# Altium PCB TT_JLINKV9.PcbDoc
Units mm, origin at the board's own origin, x right, y up, seen from the top; angles counter-clockwise.
Board outline 36.45 x 17.14 mm, 2 copper layers (Top Layer, Bottom Layer); 60 components, 45 nets, 199 pads, 83 vias.
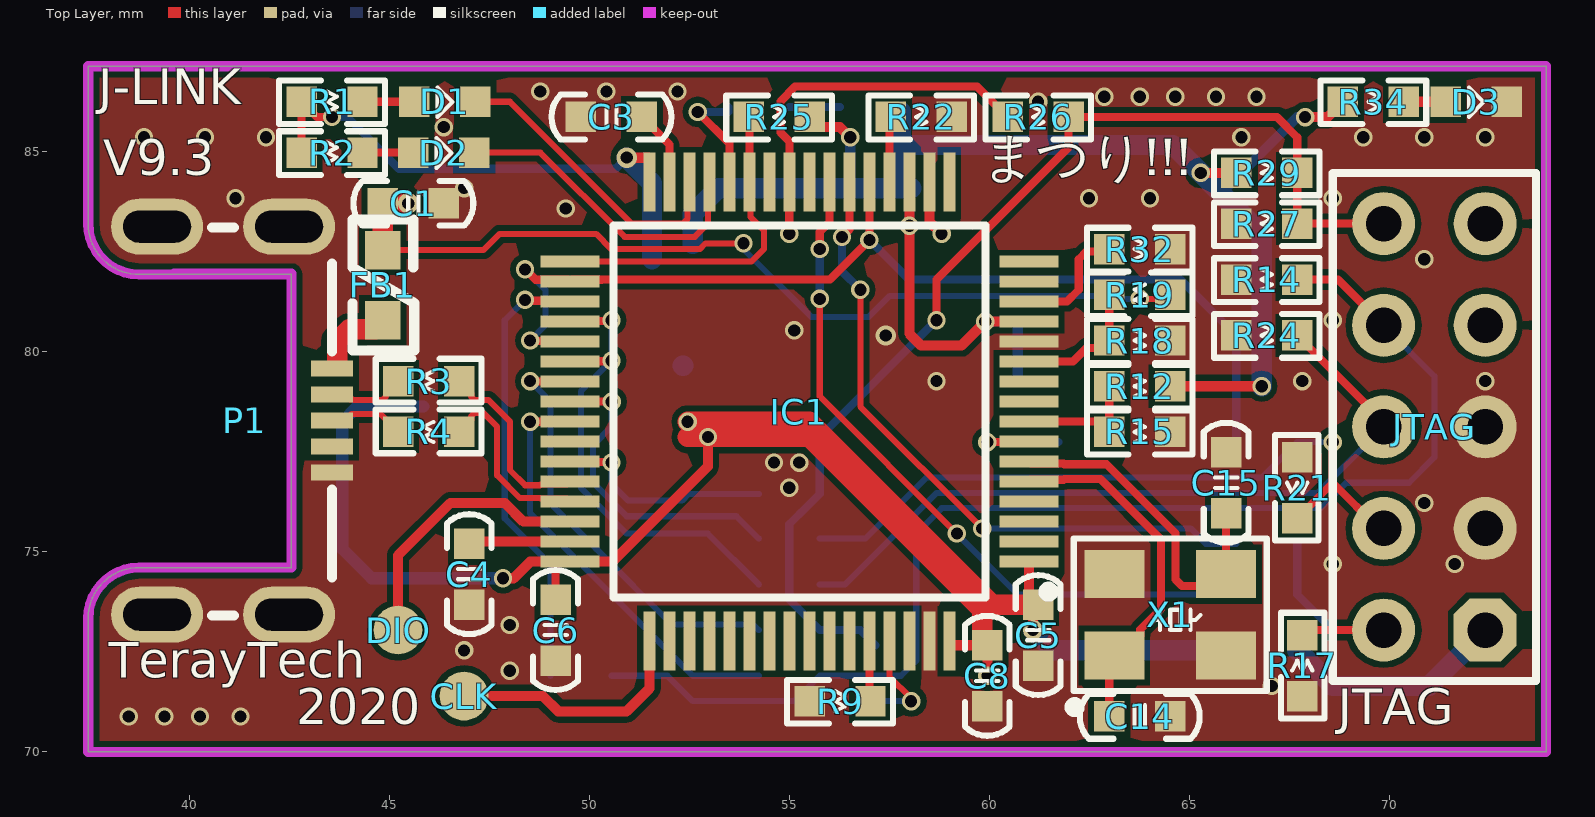
[diagram p0: Top Layer view]
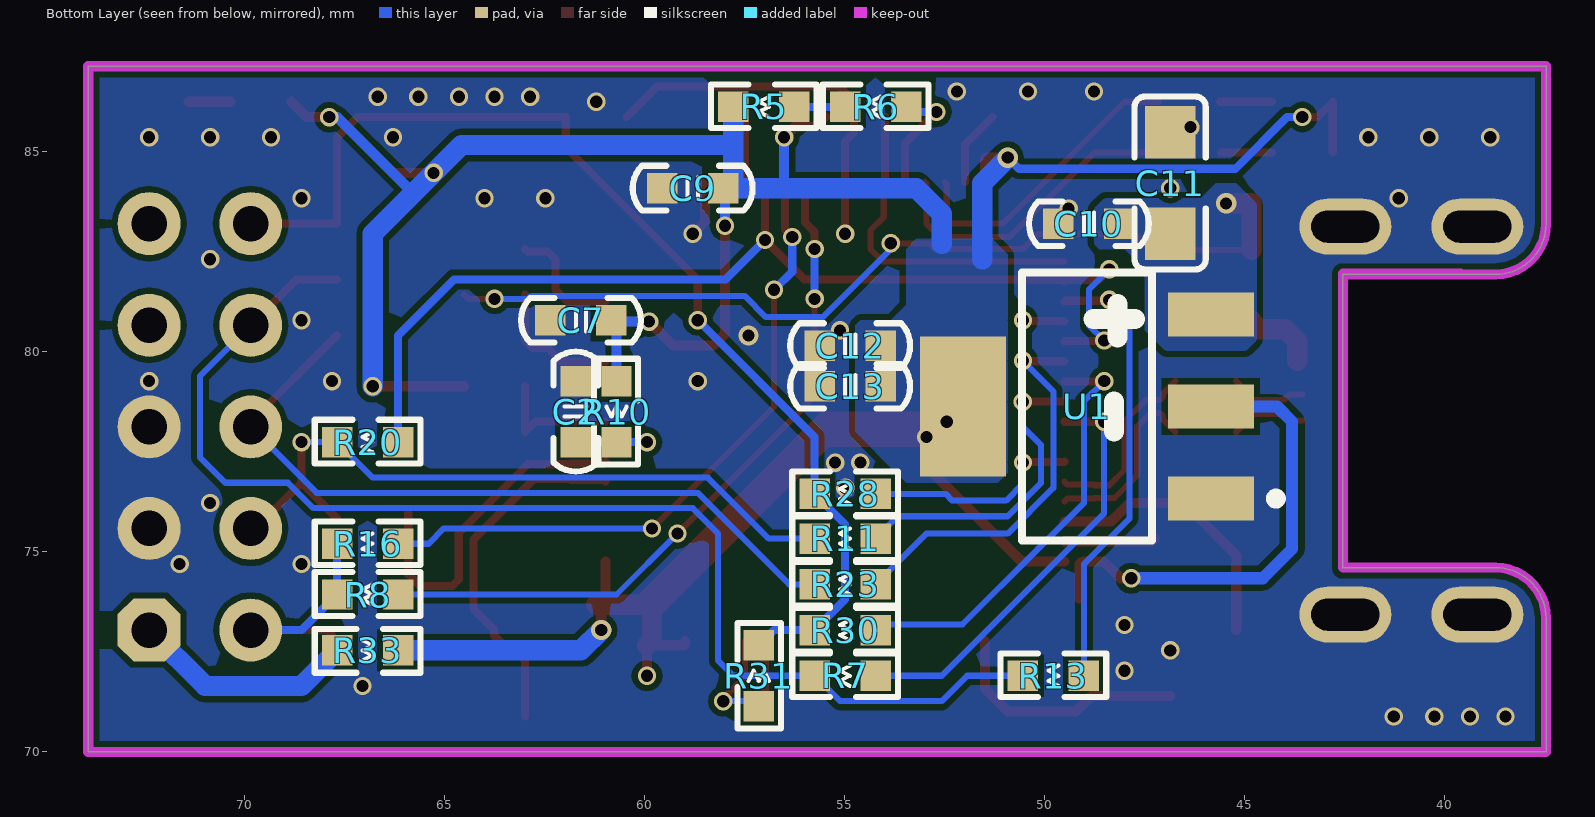
[diagram p1: Bottom Layer view, seen from below]

## Layer stack, top to bottom
Top Solder: solder mask 0.0102, Solder Resist, Dk 3.5
Top Layer: signal copper 0.0356
Dielectric 1: dielectric 0.32, FR-4, Dk 4.8
Bottom Layer: signal copper 0.0356
Bottom Solder: solder mask 0.0102, Solder Resist, Dk 3.5

## Board outline
37.465,69.977 37.465,73.317 cw(c38.735,73.317) 38.735,74.587 42.545,74.587 42.545,81.915 38.735,81.915 cw(c38.735,83.185) 37.465,83.185 37.465,87.122 73.914,87.122 73.914,69.977

## Design rules (kind name [scope] priority, off if disabled: settings)
Clearance [All] p1: gap=0.152 ignorepadtopadclearanceinfootprint=TRUE except(0: Arc-Hole Track-Hole SMDPad-Hole THPad-Hole Via-Hole Fill-Hole Poly-Hole Region-Hole Text-Hole; 0.254: Arc-Text Track-Text SMDPad-Text THPad-Text Via-Text Fill-Text Poly-Text Region-Text Text-Text)
ComponentClearance [All] p1 off: gap=0.254 collisioncheckmode=3 verticalgap=0.254 showdistances=FALSE
DiffPairsRouting [All] p1: maxlimit=0.254 minlimit=0.165 mostfreqgap=0.165 toplayer_minwidth=0.152 toplayer_maxwidth=0.381 toplayer_prefwidth=0.152 bottomlayer_minwidth=0.152 bottomlayer_maxwidth=0.381 bottomlayer_prefwidth=0.152 maxuncoupledlength=12.7
PolygonConnect [All] p1: connectstyle=Direct reliefconductorwidth=0.254 reliefentries=4 polygonreliefangle="90 Angle" airgapwidth=0.254
RoutingVias [All] p1: holewidth=0.305 width=0.457 viastyle="Through Hole" minholewidth=0.305 minwidth=0.457 maxholewidth=0.711 maxwidth=1.27
SolderMaskExpansion [All] p1: expansion=0.102 istentingtop=FALSE
Width [All] p1: maxlimit=0.508 minlimit=0.152 preferedwidth=0.254 minimp=50.000000 maximp=50.000000 favimp=50.000000
28 further rules are at their usual default settings.

## Classes and differential pairs
differential pair X: +X_P -X_N
differential pair USB: +USB_P -USB_N
differential pair USB_F: +USB_F_P -USB_F_N

## Components (designator, comment, footprint, x,y, rotation, side; value= is the part's Value field where it differs from the comment)
C1 "0.1uF" 0603_C 45.593,83.693 r0 top value=104
C2 "0.1uF" 0603_C 61.722,78.486 r270 bottom value=104
C3 "2.2uF 16V" 0603_C 50.546,85.852 r180 top value=104
C4 "2.2uF 16V" 0603_C 46.99,74.422 r270 top value=104
C5 "0.1uF" 0603_C 61.214,72.898 r90 top value=104
C6 "0.1uF" 0603_C 49.149,73.025 r90 top value=104
C7 "0.1uF" 0603_C 61.595,80.772 r180 bottom value=104
C8 "0.1uF" 0603_C 59.944,71.882 r90 top value=104
C9 "0.1uF" 0603_C 58.801,84.074 r180 bottom value=104
C10 "0.1uF" 0603_C 48.895,83.185 r180 bottom value=104
C11 "10uF" 0805_c 46.863,85.344 r270 bottom value=104
C12 "0.1uF" 0603_C 54.864,80.137 r180 bottom value=104
C13 "10uF" 0603_C 54.864,79.121 r180 bottom value=104
C14 "18pF" 0603_C 63.754,70.866 r180 top value=104
C15 "18pF" 0603_C 65.913,76.708 r90 top value=104
CLK "test point" TESTPOINT 46.863,71.374 r90 top
D1 "LED" 0603_LED 46.355,86.233 r0 top
D2 "LED" 0603_LED 46.33,84.963 r0 top
D3 "LED" 0603_LED 72.136,86.233 r0 top
DIO "test point" TESTPOINT 45.212,73.025 r90 top
FB1 "FB" FB0603 44.831,81.648 r90 top
IC1 "STM32F205RET6" QFP50P1200X1200X160-64N 55.245,78.486 r180 top locked
JTAG "header" header2X5 72.39,73.025 r90 top
P1 "MICRO USB CONNECTOR" USB_Micro_qian 43.561,78.262 r0 top locked
R1 "1K R0603" 0603_R 43.561,86.233 r180 top value=1K
R2 "1K R0603" 0603_R 43.561,84.963 r180 top value=1K
R3 "22R R0603" 0603_R 45.974,79.248 r0 top value=1K
R4 "22R R0603" 0603_R 45.974,77.978 r0 top value=1K
R5 "220R R0603" 0603_R 57.023,86.106 r180 bottom value=1K
R6 "220R R0603" 0603_R 54.229,86.106 r180 bottom value=1K
R7 "220R R0603" 0603_R 54.991,71.882 r180 bottom value=1K
R8 "220R R0603" 0603_R 66.929,73.914 r180 bottom value=1K
R9 "10K R0603" 0603_R 56.261,71.247 r180 top value=1K
R10 "10K R0603" 0603_R 60.706,78.486 r90 bottom value=1K
R11 "220R R0603" 0603_R 54.991,75.311 r180 bottom value=1K
R12 "10K R0603" 0603_R 63.754,79.121 r180 top value=1K
R13 "220R R0603" 0603_R 49.784,71.882 r180 bottom value=1K
R14 "220K R0603" 0603_R 66.929,81.788 r180 top value=1K
R15 "10K R0603" 0603_R 63.754,77.978 r180 top value=1K
R16 "220R R0603" 0603_R 66.929,75.184 r180 bottom value=1K
R17 "220K R0603" 0603_R 67.818,72.136 r270 top value=1K
R18 "10K R0603" 0603_R 63.754,80.264 r180 top value=1K
R19 "10K R0603" 0603_R 63.754,81.407 r0 top value=1K
R20 "220R R0603" 0603_R 66.929,77.724 r180 bottom value=1K
R21 "220K R0603" 0603_R 67.691,76.581 r90 top value=1K
R22 "10K R0603" 0603_R 58.293,85.852 r180 top value=1K
R23 "220R R0603" 0603_R 54.991,74.168 r180 bottom value=1K
R24 "220K R0603" 0603_R 66.929,80.391 r180 top value=1K
R25 "10K R0603" 0603_R 54.737,85.852 r180 top value=1K
R26 "220R R0603" 0603_R 61.214,85.852 r180 top value=1K
R27 "220K R0603" 0603_R 66.929,83.185 r180 top value=1K
R28 "220R R0603" 0603_R 54.991,76.429 r180 bottom value=1K
R29 "10K R0603" 0603_R 66.929,84.455 r180 top value=1K
R30 "220R R0603" 0603_R 54.991,73.025 r180 bottom value=1K
R31 "10K R0603" 0603_R 57.15,71.882 r270 bottom value=1K
R32 "10K R0603" 0603_R 63.754,82.55 r180 top value=1K
R33 "OR" 0603_R 66.929,72.517 r0 bottom value=1K
R34 "1K R0603" 0603_R 69.596,86.233 r180 top value=1K
U1 "AMS1117" SOT-223 49.074,78.325 r90 bottom
X1 "XTAL" OSC_KH3225_4P 66.167,74.549 r0 top

## Footprints (in the part's own frame and the unit in brackets; to place one, negate y for a bottom-side part, rotate by r counter-clockwise, add the part's x,y. Pads: shape width x height; smd on the part's side, far side on the other; paste and mask are expansions set on the pad)
0603_C [mil] "Capacitor"
  rect 30x30 smd: 1(-30,0) 2(30,0)
  silkscreen extent -59,-22 59,22, body extent -51,-18 52,21, height 35
0603_LED [mil]
  rect 30x30 smd: 1(-29,0) 2(31,0)
  silkscreen extent -6,-15 9,14, body extent -31,-16 31,16, height 24
0603_R [mil]
  rect 30x30 smd: 1(-30,0) 2(30,0)
  silkscreen extent -52,-21 52,22, body extent -34,-19 34,19, height 39
0805_c [mil]
  rect 52x50 smd: 1(-5,0) 2(95,0)
  silkscreen extent -40,-35 130,35, body extent -13,-28 105,28, height 37
FB0603 [mil] "1/10W"
  rect 38x35 smd: 1(-34.5,0) 2(34.5,0)
  silkscreen extent -64,-31 64,30, body extent -31,-16 32,16, height 31
header2X5 [mil]
  oct 62x62 hole 35: 1(0,0)
  round 62 hole 35: 2(0,100) 3(100,0) 4(100,100) 5(200,0) 6(200,100) 7(300,0) 8(300,100) 9(400,0) 10(400,100)
  silkscreen extent -50,-50 450,150, body extent -50,-50 450,150, height 398
OSC_KH3225_4P [mm]
  rect 1.5x1.2 smd: 1(-3.048,-2.159) 2(-0.254,-2.159) 3(-0.254,-0.127) 4(-3.048,-0.127)
  silkscreen extent -4.17,-3.58 0.76,0.76, body extent -3.25,-2.39 -0.05,0.11, height 0.77
QFP50P1200X1200X160-64N [mm]
  rect 1.475x0.3 smd: 1(-5.738,3.75) 2(-5.738,3.25) 3(-5.738,2.75) 4(-5.738,2.25) 5(-5.738,1.75) 6(-5.738,1.25) 7(-5.738,0.75) 8(-5.738,0.25) 9(-5.738,-0.25) 10(-5.738,-0.75) 11(-5.738,-1.25) 12(-5.738,-1.75) 13(-5.738,-2.25) 14(-5.738,-2.75) 15(-5.738,-3.25) 16(-5.738,-3.75) 33(5.738,-3.75) 34(5.738,-3.25) 35(5.738,-2.75) 36(5.738,-2.25) 37(5.738,-1.75) 38(5.738,-1.25) 39(5.738,-0.75) 40(5.738,-0.25) 41(5.738,0.25) 42(5.738,0.75) 43(5.738,1.25) 44(5.738,1.75) 45(5.738,2.25) 46(5.738,2.75) 47(5.738,3.25) 48(5.738,3.75)
  rect 0.3x1.475 smd: 17(-3.75,-5.738) 18(-3.25,-5.738) 19(-2.75,-5.738) 20(-2.25,-5.738) 21(-1.75,-5.738) 22(-1.25,-5.738) 23(-0.75,-5.738) 24(-0.25,-5.738) 25(0.25,-5.738) 26(0.75,-5.738) 27(1.25,-5.738) 28(1.75,-5.738) 29(2.25,-5.738) 30(2.75,-5.738) 31(3.25,-5.738) 32(3.75,-5.738) 49(3.75,5.738) 50(3.25,5.738) 51(2.75,5.738) 52(2.25,5.738) 53(1.75,5.738) 54(1.25,5.738) 55(0.75,5.738) 56(0.25,5.738) 57(-0.25,5.738) 58(-0.75,5.738) 59(-1.25,5.738) 60(-1.75,5.738) 61(-2.25,5.738) 62(-2.75,5.738) 63(-3.25,5.738) 64(-3.75,5.738)
  silkscreen extent -6.35,-4.65 4.65,4.65, body extent -6,-6 6,6, height 1.6
SOT-223 [mm] "ASM1117系列"
  rect 1.1x2.15 smd: 1(-2.012,-3.227) 2(0.288,-3.227) 3(2.588,-3.227)
  rect 3.5x2.15 smd: 2(0.288,2.973)
  silkscreen extent -3.06,-4.98 3.64,1.5, body extent -3,-3.48 3.5,3.48, height 1.7
TESTPOINT [mil]
  round 48 smd: 1(0,0)
USB_Micro_qian [mm]
  oval 2.3x1.4 hole 0.8 slot 1.7 at 0 deg: 0(-4.375,-4.85) 0(-4.375,4.85) 0(-1.075,-4.85) 0(-1.075,4.85)
  rect 1.05x0.4 smd: 1(0,1.3) 2(0,0.65) 3(0,0) 4(0,-0.65) 5(0,-1.3)
  Keep-Out Layer lines w0.254: -4.025,-3.675 -1.016,-3.675 -1.016,3.675 -3.95,3.675
  silkscreen extent -3,-4.87 0,4.83, body extent -7.2,-5.1 0.03,5.1, height 1.68

## Part data
C1 C2 C3 C4 C5 C6 C7 C8 C9 C10 C11 C12 C13 C14 C15: library part CAP, "Capacitor", LatestRevisionDate=17-Jul-2002, LatestRevisionNote="Re-released for DXP Platform.", PackageReference=RAD-0.3, Published=8-Jun-2000, Publisher="Altium Limited"
CLK DIO: library part TESTPOINT
D1 D2 D3: "LED 发光二极管"
FB1: "磁珠"
IC1: "Integrated Circuit", Manufacturer_Name=STMicroelectronics, Mouser Part Number=511-STM32F205RET6, Arrow Part Number=STM32F205RET6, Arrow Price/Stock=https://www.arrow.com/en/products/stm32f205ret6/stmicroelectronics, Datasheet Link=http://www.st.com/web/en/resource/technical/document/datasheet/CD00237391.pdf, Height=1.6mm, Manufacturer_Part_Number=STM32F205RET6, Mouser Price/Stock=https://www.mouser.co.uk/ProductDetail/STMicroelectronics/STM32F205RET6?qs=L6eUzyzWLAvGHDSxS%252B7umA%3D%3D
JTAG: library part "HEADER 5X2"
P1: library part "MICRO USB_in"
R1 R2 R3 R4 R5 R6 R7 R8 R9 R10 R11 R12 R13 R14 R15 R16 R17 R18 R19 R20 R21 R22 R23 R24 R25 R26 R27 R28 R29 R30 R31 R32 R33 R34: library part RES, "Resistor", Published=8-Jun-2000, Publisher="Altium Limited", Revision="July-2002: Re-released for DXP Platform."
U1: "3.3V电压转换器AMS1117"
X1: library part XTAL_SMT

## Via types
v1: diameter 0.457, hole 0.305, Top Layer to Bottom Layer, tented both sides, 79 vias
v2: diameter 0.508, hole 0.305, Top Layer to Bottom Layer, tented both sides, 4 vias

## Nets (pads, with @x,y where several pads share a name; then routed paths per layer and width w, separated by ;. In a path a pad name is that pad's centre, name@x,y a point inside that pad or via, vN(x,y) a via of type N, cw(c..) or ccw(c..) an arc to the next point about the centre after c; other vN are vias at no path point)
GND: C1.2 C2.1 C3.2 C4.2 C5.1 C6.1 C7.1 C8.1 C9.1 C10.1 C11.1 C12.1 C13.1 C14.1 C15.2 D3.2 IC1.12 IC1.18 IC1.63 JTAG.3 JTAG.5 P1.0 P1.5 R9.2 R14.2 R15.1 R17.2 R18.1 R21.2 R22.1 R24.2 R27.2 R32.1 U1.1 X1.2 X1.4 | length 1.4
  Top Layer w0.254: IC1.18 58.495,83.237 v1(58.801,82.931)
  other v1: 38.481,70.866 39.37,70.866 40.259,70.866 41.275,70.866 67.056,71.628 48.006,72.009 46.863,72.517 48.006,73.152 68.58,74.676 71.628,74.676 70.866,76.2 54.991,76.581 54.61,77.216 55.24,77.211 58.674,79.248 67.818,79.248 72.39,79.248 55.118,80.518 68.58,80.772 70.866,82.296 49.403,83.566 41.148,83.82 62.484,83.82 64.008,83.82 68.58,83.82 46.863,84.074 38.862,85.344 40.386,85.344 41.91,85.344 66.294,85.344 69.342,85.344 70.866,85.344 72.39,85.344 46.355,85.598 61.214,86.233 62.865,86.36 63.754,86.36 64.643,86.36 65.659,86.36 66.675,86.36 48.768,86.487 50.419,86.487 52.197,86.487
  other v2: 57.404,80.391
JTAG_RST: JTAG.10 R26.1 R27.1 R28.1 R29.1 R30.1 R31.1 | length 27.8
  Top Layer w0.203: v1(58.674,80.772) 58.674,81.788 61.976,85.09 R26.1 67.183,85.852 67.691,85.344 R29.1 R27.1 JTAG.10
  Bottom Layer w0.203: R31.1 56.769,73.025 R30.1 54.991,73.787 54.991,75.67 55.267,75.946 55.27,75.946 R28.1 55.753,77.851 v1(58.674,80.772)
JTAG_TCK: JTAG.4 R11.1 R20.1 R21.1 | length 17.8
  Top Layer w0.203: R21.1 68.58,76.708 ; v1(68.58,77.724) 68.58,76.708 ; JTAG.4 69.723,75.565 68.58,76.708
  Bottom Layer w0.152: R11.1 56.896,75.311 58.42,76.835 66.802,76.835 R20.1 v1(68.58,77.724)
JTAG_TDI: JTAG.8 R7.1 R13.1 R14.1 | length 31.7
  Top Layer w0.203: R14.1 68.707,81.788 JTAG.8
  Bottom Layer w0.152: R13.1 51.943,71.882 52.578,71.247 55.118,71.247 R7.1 57.785,71.882 58.166,72.263 58.166,75.438 58.801,76.073 68.285,76.073 68.92,76.708 70.485,76.708 71.12,77.343 71.12,79.375 JTAG.8
JTAG_TDO: JTAG.6 R23.1 R24.1 | length 18.9
  Top Layer w0.203: R24.1 69.85,78.232 JTAG.6
  Bottom Layer w0.152: R23.1 56.388,74.168 58.674,76.454 68.199,76.454 JTAG.6
JTAG_TMS: JTAG.2 R8.1 R16.1 R17.1 | length 5.9
  Top Layer w0.203: R17.1 67.945,73.025 JTAG.2
  Bottom Layer w0.203: R16.1 R8.1 68.58,73.025 JTAG.2
LED0: D2.2 IC1.29 | length 7.9
  Top Layer w0.152: D2.2 48.768,84.963 50.876,82.855 52.629,82.855 52.959,83.185 52.959,84.188 IC1.29
LED1: D1.2 IC1.30 | length 7.6
  Top Layer w0.152: D1.2 48.006,86.233 51.054,83.185 52.324,83.185 52.451,83.312 52.451,84.18 IC1.30
NetC2_2: C2.2 IC1.7 R10.1 | length 2.8
  Top Layer w0.203: v1(59.944,77.724) 59.95,77.73 60.977,77.73 IC1.7
  Bottom Layer w0.203: v1(59.944,77.724) R10.1 C2.2
NetC3_1: C3.1 IC1.31 | length 1.9
  Top Layer w0.203: C3.1 51.995,85.165 IC1.31
NetC4_1: C4.1 IC1.47 | length 2.3
  Top Layer w0.254: C4.1@47.244,75.311 47.319,75.236 IC1.47
NetD1_1: D1.1 R1.1 | length 1.3
  Top Layer w0.203: R1.1 D1.1
NetD2_1: D2.1 R2.1 | length 1.3
  Top Layer w0.203: R2.1 D2.1
NetD3_1: D3.1 R34.1 | length 1
  Top Layer w0.254: R34.1 D3.1
NetIC1_60: IC1.60 R9.1 | length 1.5
  Top Layer w0.152: R9.1@56.995,71.275 R9.1
  Top Layer w0.203: R9.1@56.995,71.275 IC1.60
NetJTAG_1: JTAG.1 R33.2 | length 5.6
  Bottom Layer w0.508: R33.2 68.58,71.628 70.993,71.628 JTAG.1
P3V3: C5.2 C6.2 C7.2 C8.2 C9.2 C12.2 C13.2 IC1.1 IC1.13 IC1.19 IC1.32 IC1.48 IC1.64 R1.2 R2.2 R5.1 R10.2 R12.1 R25.1 R29.2 R33.1 R34.2 U1.2 | length 103.5
  Top Layer w0.203: R2.2 R1.2 43.18,85.852 v1(43.561,85.852) ; IC1.48@49.012,74.736 49.101,74.736 49.149,74.688 C6.2
  Top Layer w0.254: v1(47.835,74.32) 48.101,74.32 48.517,74.736 IC1.48@49.012,74.736 ; IC1.48 50.574,74.736 52.959,77.121 v1(52.959,77.851) ; v2(50.927,84.836) 50.928,84.835 51.472,84.835 51.495,84.812 IC1.32 ; R25.1 55.753,85.598 56.261,85.598 v1(56.515,85.344) ; IC1.19 57.995,83.315 v1(57.995,83.131) 57.995,80.435 58.293,80.137 59.291,80.137 v1(59.89,80.736) 60.074,80.736 IC1.13 ; IC1.64 58.995,72.667 59.018,72.644 C8.2 v1(59.944,71.882) ; IC1.1 60.983,73.891 C5.2 61.087,73.533 v2(61.087,73.025) ; R12.1 v1(66.802,79.121) ; v1(65.278,84.455) R29.2 ; v1(67.889,85.848) 68.449,85.848 R34.2
  Top Layer w0.508: 52.451,77.851 v1(52.959,77.851) 55.499,77.851 59.817,73.533 59.817,72.771 C8.2 ; v1(52.451,78.232) 55.49,78.232 60.062,73.66 C5.2
  Bottom Layer w0.203: v1(43.561,85.852) 43.942,85.852 45.237,84.557 50.648,84.557 v2(50.927,84.836)
  Bottom Layer w0.254: 56.388,84.074 56.515,84.201 v1(56.515,85.344) ; v1(57.995,83.131) 57.995,84.03 C9.2 ; v1(59.89,80.736) 60.615,80.736 60.706,80.645 R10.2 ; 65.722,84.01 65.849,84.01 67.687,85.848 v1(67.889,85.848)
  Bottom Layer w0.305: U1.2@45.847,78.613 44.196,78.613 43.815,78.232 43.815,75.057 44.552,74.32 v1(47.835,74.32)
  Bottom Layer w0.508: v2(50.927,84.836) 51.562,84.201 51.562,82.296 ; U1.2@52.324,79.629 U1.2@52.349,79.629 ; 52.578,82.677 52.578,83.439 53.213,84.074 56.388,84.074 C9.2 57.785,84.328 57.785,85.153 ; R5.1@57.785,85.979 57.785,85.153 ; v2(61.087,73.025) 61.595,72.517 R33.1 ; v1(66.802,79.121) 66.802,82.931 65.722,84.01 v1(65.278,84.455) 64.579,85.153 57.785,85.153
P5V: C1.1 C10.2 C11.2 FB1.2 R19.2 U1.3 | length 23
  Top Layer w0.152: FB1.2 47.346,82.525 47.752,82.931 50.165,82.931 50.546,82.55 52.755,82.55 52.898,82.693 v1(53.848,82.693) ; v1(63.754,81.305) 64.414,81.305 R19.2
  Top Layer w0.508: FB1.2 C1.1 v2(45.466,83.693)
  Bottom Layer w0.152: v1(53.848,82.693) 53.848,82.55 55.55,80.848 56.972,80.848 57.506,81.382 62.833,81.382 62.909,81.305 v1(63.754,81.305)
PA0: IC1.14 R32.2 | length 3
  Top Layer w0.203: IC1.14 61.932,81.236 62.23,81.534 62.23,82.296 62.425,82.491 62.933,82.491 R32.2
PA4: IC1.20 R22.2 | length 1.6
  Top Layer w0.203: IC1.20 57.495,85.816 R22.2
PA5: IC1.21 IC1.34 IC1.37 R20.2 | length 26.6
  Top Layer w0.203: v1(48.387,82.042) 48.645,81.784 49.459,81.784 IC1.34 49.555,81.784 50.302,81.784 50.306,81.788 56.007,81.788 v1(56.995,82.776) IC1.21 ; v1(48.514,80.264) 48.528,80.25 49.493,80.25 IC1.37
  Bottom Layer w0.152: v1(48.387,82.042) 48.895,81.534 48.895,80.645 v1(48.514,80.264)
  Bottom Layer w0.203: v1(56.995,82.776) 57.983,81.788 64.77,81.788 66.167,80.391 R20.2
PA6: IC1.22 R16.2 | length 16.7
  Top Layer w0.152: v1(56.769,81.534) 56.769,78.613 v1(59.817,75.565)
  Top Layer w0.203: v1(56.311,82.854) 56.495,83.038 IC1.22
  Bottom Layer w0.152: v1(59.817,75.565) 65.024,75.565 65.405,75.184 R16.2
  Bottom Layer w0.203: v1(56.311,82.854) 56.311,81.992 v1(56.769,81.534)
PA7: IC1.23 R8.2 | length 17.9
  Top Layer w0.152: v1(55.753,81.305) 55.753,78.867 v1(59.182,75.438)
  Top Layer w0.203: v1(55.753,82.55) 55.753,82.978 55.995,83.22 IC1.23
  Bottom Layer w0.152: v1(59.182,75.438) 60.706,73.914 R8.2
  Bottom Layer w0.203: v1(55.753,81.305) v1(55.753,82.55)
PA8: IC1.41 R7.2 | length 10.7
  Top Layer w0.203: v1(48.514,78.232) 48.516,78.234 49.505,78.234 IC1.41
  Bottom Layer w0.152: v1(48.514,78.232) 48.514,75.946 52.578,71.882 R7.2
PA10: IC1.43 R28.2 | length 5.5
  Top Layer w0.203: IC1.43 49.517,77.226 50.536,77.226 v1(50.546,77.216)
  Bottom Layer w0.152: v1(50.546,77.216) 50.546,76.681 50.964,76.263 52.311,76.263 52.477,76.429 R28.2
PB1: IC1.27 IC1.33 R25.2 | length 8.4
  Top Layer w0.152: IC1.33 54.042,82.236 54.356,82.55 54.356,83.016 54.024,83.347 54.024,84.195 IC1.27
  Top Layer w0.203: R25.2 53.995,85.832 IC1.27
PB2: IC1.28 R6.2 | length 3
  Top Layer w0.203: v1(52.705,85.979) 53.495,85.189 IC1.28
  Bottom Layer w0.203: v1(52.705,85.979) 53.467,85.979 R6.2
PB8: IC1.61 R31.2 | length 2.7
  Top Layer w0.152: IC1.61 57.495,71.86 58.039,71.316 v1(58.039,71.247)
  Bottom Layer w0.152: R31.2 57.277,71.247 v1(58.039,71.247)
PB14: IC1.35 R13.2 | length 11.2
  Top Layer w0.203: v1(48.387,81.28) 48.409,81.258 49.485,81.258 IC1.35
  Bottom Layer w0.152: v1(48.387,81.28) 47.879,80.772 47.879,75.819 49.022,74.676 R13.2
PB15: IC1.36 IC1.38 R23.2 | length 12.1
  Top Layer w0.203: IC1.38 49.517,79.746 50.536,79.746 v1(50.546,79.756) ; IC1.36 49.525,80.754 50.528,80.754 v1(50.546,80.772)
  Bottom Layer w0.152: v1(50.546,80.772) v1(50.546,79.756) 49.784,78.994 49.784,76.581 50.927,75.438 52.959,75.438 R23.2
PC0: IC1.8 R12.2 R15.2 | length 3.3
  Top Layer w0.203: IC1.8 62.734,78.236 R15.2 R12.2
PC3: IC1.11 R18.2 R19.1 | length 3.4
  Top Layer w0.203: IC1.11 62.083,79.736 62.425,80.078 62.806,80.078 R18.2 R19.1
PC5: IC1.25 R26.2 | length 9.6
  Top Layer w0.203: v1(54.991,82.931) 54.993,82.933 54.993,84.222 IC1.25 54.995,85.235 54.769,85.461 54.769,86.243 55.14,86.614 59.69,86.614 R26.2
PC8: IC1.39 R30.2 | length 10.8
  Top Layer w0.203: v1(48.514,79.248) 48.52,79.242 49.501,79.242 IC1.39
  Bottom Layer w0.152: v1(48.514,79.248) 49.022,78.74 49.022,76.2 50.165,75.057 52.058,73.164 54.09,73.164 R30.2
PC9: IC1.40 R11.2 | length 8
  Top Layer w0.203: IC1.40 v1(50.552,78.734)
  Bottom Layer w0.152: v1(50.552,78.734) 50.546,78.728 50.546,78.105 50.089,77.648 50.089,76.707 50.926,75.87 53.67,75.87 R11.2
PVUSB: FB1.1 P1.1 | length 1.9
  Top Layer w0.508: P1.1@43.688,79.756 43.688,80.246 43.986,80.543 44.64,80.543 44.831,80.734 FB1.1
RXD: R5.2 R6.1 | length 1.3
  Bottom Layer w0.203: R6.1 R5.2
SWCLK: CLK.1 IC1.49 | length 6.2
  Top Layer w0.254: CLK.1 48.835,71.374 49.216,70.993 50.927,70.993 51.495,71.561 IC1.49
SWDIO: DIO.1 IC1.46 | length 6.9
  Top Layer w0.254: DIO.1 45.212,74.68 45.21,74.681 45.21,74.892 46.519,76.2 47.88,76.2 48.344,75.736 IC1.46
USB_F_N: P1.2 R3.1 | length 2
  Top Layer w0.152: P1.2 43.886,78.912 44.01,78.788 44.083,78.788 44.099,78.772 44.818,78.772 44.907,78.861 44.907,78.943 R3.1
USB_F_P: P1.3 R4.1 | length 1.9
  Top Layer w0.152: P1.3 43.886,78.262 44.052,78.428 44.762,78.428 R4.1
USB_N: IC1.44 R3.2 | length 4.6
  Top Layer w0.152: R3.2 47.041,78.943 47.041,78.861 47.13,78.772 47.477,78.772 48.006,78.243 48.006,77.026 48.387,76.645 48.756,76.645 48.774,76.662 49.433,76.662 IC1.44
USB_P: IC1.45 R4.2 | length 4.6
  Top Layer w0.152: R4.2 47.041,78.283 47.041,78.365 47.13,78.454 47.345,78.454 47.688,78.111 47.688,76.895 48.256,76.327 48.756,76.327 48.774,76.31 49.433,76.31 IC1.45
X_N: C15.1 IC1.6 X1.3 | length 8.5
  Top Layer w0.203: IC1.6 61.031,77.188 61.85,77.188 61.867,77.17 62.924,77.17 64.649,75.444 64.649,74.289 64.813,74.125 65.616,74.125 X1.3 C15.1
X_P: C14.2 IC1.5 X1.1 | length 9
  Top Layer w0.203: IC1.5 61.031,76.784 61.85,76.784 61.867,76.802 62.771,76.802 64.281,75.292 64.281,73.552 63.767,73.038 63.767,72.888 63.269,72.39 X1.1 62.992,72.263 C14.2
pads on no net: IC1.2 IC1.3 IC1.4 IC1.9 IC1.10 IC1.15 IC1.16 IC1.17 IC1.24 IC1.26 IC1.42 IC1.50 IC1.51 IC1.52 IC1.53 IC1.54 IC1.55 IC1.56 IC1.57 IC1.58 IC1.59 IC1.62 JTAG.7 JTAG.9 P1.4

## Polygon pours and split planes (outlines as drawn)
GND on Bottom Layer "GND_L02_P004" (solid, remove dead copper, pour order 4): 37.338,87.249 37.338,69.85 74.041,69.85 74.041,87.249
P3V3 on Bottom Layer "P3V3_L02_P003" (solid, pour order 3): 50.927,82.423 51.308,82.804 53.213,82.804 53.467,82.55 53.467,81.153 53.848,80.772 54.61,80.772 54.737,80.645 54.737,77.978 53.467,76.708 51.181,76.708 50.927,76.962
P5V on Bottom Layer "P5V_L02_P000" (solid, pour order 0): 45.212,84.201 44.704,83.693 44.704,80.264 44.958,80.01 46.99,80.01 47.498,80.518 47.498,82.042 48.006,82.55 48.641,82.55 48.768,82.677 48.768,83.566 48.514,83.82 46.101,83.82 45.72,84.201
GND on Top Layer "GND_L01_P005" (solid, remove dead copper, pour order 5): 37.297,87.28 37.297,69.881 74,69.881 74,87.28

## Keep-outs
Keep-Out Layer:
  the board outline again, w0.254

## Silkscreen, mask and mechanical layers (free items; w line width, h text height)
Top Overlay:
  text "J-LINK" at 37.716,85.868 h1.52
  text "V9.3" at 37.847,84.091 h1.52
  text "まつり!!!" at 59.817,84.074 h1.65
  text "TerayTech" at 37.973,71.533 h1.52
  text "2020" at 42.671,70.374 h1.52
  text "JTAG" at 68.707,70.376 h1.52